# Allegro board BeagleBone AI -64_PCB_V1.02_211119.brd (continued)
## Routing (per net, layer and track width the routed paths; a pad name or vN(x,y) marks a point on that pad's centre or on a via; arc(x,y) is an arc through that point) (continued)
  BOTTOM w0.13: C143.2 -0.25,62.26 -0.04,62.46 -0.04,62.84 0.2,63.08 0.2,65.92 0.68,66.41 3.27,66.41 v1(3.52,66.65)
USBC_SS_TX2_P: length 96
  TOP w0.13: L29.4 37.92,7.94 38.21,7.65 38.41,7.65 39.15,8.38 39.15,13.3 39.02,13.43 38.92,13.43 38.79,13.56 38.79,13.81 38.92,13.94 39.02,13.94 39.15,14.07 39.15,14.53 38.88,14.8 38.57,14.8 v1(38.34,14.57)
  L12-SIGNAL w0.122: v1(38.34,14.57) 38.1,14.81 36.52,14.81 35.06,16.27 35.06,20.03 33.59,21.5 33.59,27.42 32.54,28.46 32.54,48.53 31.55,49.52 31.55,54.22 30.45,55.32 28.63,55.32 25.43,58.52 23.78,58.52 22.23,60.07 22.23,61.64 20.36,63.5 20.19,63.5 20.17,63.48 19.99,63.48 19.82,63.65 19.82,63.83 19.85,63.85 19.85,64.02 19.67,64.2 19.5,64.2 19.47,64.17 19.3,64.17 19.13,64.35 19.13,64.52 19.15,64.54 19.15,64.72 18.92,64.95 11.65,64.95 11.21,65.39 11.21,66.51 10.84,66.87 7.51,66.87 7.32,66.68 7.02,66.68 6.83,66.87 6.53,66.87 6.34,66.68 6.04,66.68 5.85,66.87 5.1,66.87 4.35,66.12 3.71,66.12 v1(3.51,65.91)
  BOTTOM w0.13: C132.2 0.42,62.26 0.22,62.46 0.22,62.73 0.46,62.97 0.46,65.81 0.79,66.14 3.29,66.14 v1(3.51,65.91)
USD_PWR_EN: length 7.9
  BOTTOM w0.165: U6.4 -34.59,57.8 -35.5,56.89 -35.5,52.12 -35.1,51.72 U5.3
USER_PB: length 170.5
  TOP w0.165: -40.04,41.71 -40.86,41.71 v1(-41.04,41.53) ; -40.04,41.71 R162.2 ; -40.04,41.71 -39.4,42.35 U10.3 ; -40.04,41.71 -40.04,44.13 -39.49,44.68 U11.2 -38.14,44.68 -37.69,45.14 -37.69,47.75 -36.56,48.88 -36.56,50.3 v1(-36.09,50.78) ; U27.2 v1(32.35,53.22)
  L5-SIGNAL w0.102: v1(32.35,53.22) 32.9,52.67 32.9,43.7 32.82,43.63 32.82,31.93 36.46,28.3 36.46,22.06 38.04,20.47 39.43,20.47 41.05,18.85 41.05,17.4 39.71,16.05 39.43,16.05 39,15.62 39,14.56 38.59,14.15 36.18,14.15 35.01,12.98 32.16,12.98 31.76,12.57 31.76,12.04 31.43,11.71 30.89,11.71 30.31,11.13 23.09,11.13 21.9,12.32 17.25,12.32 16.06,11.13 12.16,11.13 11.59,11.7 7.94,11.7 6.1,13.54 -22.45,13.54 -23.54,12.44 -29.85,12.44 -29.89,12.49 -31.67,12.49 -31.76,12.4 -35.43,12.4 -36.52,13.49 v1(-36.52,13.9)
  L10-SIGNAL w0.102: v1(-36.52,13.9) -36.52,16.49 -38.53,18.49 -38.53,28.65 -39.44,29.57 -39.44,38.66 -41.04,40.26 v1(-41.04,41.53)
  BOTTOM w0.165: U8.4 -36.25,50.94 v1(-36.09,50.78)
VCAP_MCU_VDDS0: length 0.6
  TOP w0.305: U19.K23 -12.69,45.19 v1(-13.09,44.79)
VCAP_MCU_VDDS1: length 0.6
  TOP w0.305: v1(-9.09,43.98) -8.69,44.38 U19.J18
VCAP_MCU_VDDS2: length 0.6
  TOP w0.305: v1(-9.89,43.98) -9.49,44.38 U19.J19
VCAP_VDDS0: length 0.6
  TOP w0.305: v1(0.51,51.19) 0.11,50.79 U19.U7
VCAP_VDDS1: length 0.6
  TOP w0.254: U19.AB21 -11.09,54.79 v1(-11.49,55.19)
VCAP_VDDS2: length 0.6
  TOP w0.305: U19.Y18 -8.68,53.19 v1(-9.08,53.59)
VCAP_VDDS3: length 0.6
  TOP w0.254: U19.W21 v1(-11.49,52.79)
VCAP_VDDS4: length 0.6
  TOP w0.254: v1(-12.29,54.39) -11.89,53.99 U19.AA22
VCAP_VDDS5: length 0.6
  TOP w0.305: v1(-12.29,48.79) -11.89,49.19 U19.R22
VCAP_VDDS6: length 0.6
  TOP w0.254: U19.V22 -11.88,51.59 -12.28,51.99 v1(-12.28,51.99)
VDA_DLL_0V8: length 1.9
  TOP w0.305: U30.9 38.37,53.13 37.43,53.13 37.14,53.42 v1(36.63,53.42)
  TOP w0.381: FL26.1 v1(12.33,56.95)
  BOTTOM w0.381: FL3.1 v1(8.41,64.52)
  vias: v1(6.61,30.58) v1(6.61,30.08) v1(36.23,53.06)
VDA_MCU_1V8: length 36.7
  TOP w0.203: R330.1 v1(31.29,47.02)
  TOP w0.305: U19.P22 -11.89,48.39 -12.29,47.99 v1(-12.29,47.98) ; v1(-9.09,42.38) -8.69,42.78 U19.G18 ; U19.M23 -12.69,46.78 v1(-13.09,46.38) ; U19.P21 -11.09,48.39 -11.49,47.99 v1(-11.49,47.98) ; C491.1 37.04,54.13 38.37,54.13 U30.7 ; U19.N22 -11.89,47.59 v1(-12.29,47.19)
  TOP w0.381: U19.H22 -11.9,43.58 v1(-12.29,43.19)
  L3-SIGNAL w0.254: v1(37.98,57.66) 37.98,56.97 37.06,56.06 37.06,55.58 v1(36.35,54.87)
  L8-PWR/GND w0.381: v1(31.29,47.02) 29.52,48.79 29.52,50.7 27.64,52.58 27.64,53.8 29.34,55.5 29.34,56.21 31.38,58.25 37.39,58.25 v1(37.98,57.66)
  BOTTOM w0.254: v1(37.98,57.66) 38.45,57.66 38.64,57.85 R20.1 ; C265.1 -12.11,43.37 v1(-12.29,43.19) -11.3,42.2 C237.1 ; C264.1 -12.16,47.05 -12.16,47.05
  BOTTOM w0.305: v1(-12.29,47.19) -12.16,47.05 C264.1
  vias: v1(-23.76,41.67) v1(-23.65,39.23) v1(-23.65,36.71) v1(-23.58,40.45) v1(-23.56,37.96) v1(36.71,54.46)
VDA_PLL_1V8: length 10.4
  TOP w0.305: v1(-8.29,46.38) -7.89,46.78 U19.M17 ; v1(-9.08,52.79) -8.68,52.39 U19.W18 ; U19.R11 -3.08,49.18 v1(-3.48,48.78) ; U19.R21 -11.09,49.19 v1(-11.49,48.79) ; U19.H9 v1(-1.09,43.18) ; U19.W17 -7.88,52.39 v1(-8.28,52.79) ; v1(34.3,26.53) 34.94,26.53 v1(34.98,26.49) 35.33,26.14 U29.7 ; v1(-1.09,47.98) -1.49,48.38 U19.P9 ; v1(-3.49,45.58) U19.L12 ; v1(-6.69,52.79) -6.29,52.39 U19.W15 ; C366.1 -9.77,65.51 v1(-9.82,65.46) ; U19.Y20 v1(-10.69,53.59)
  BOTTOM w0.203: v1(-9.82,65.46) -9.77,65.51 C366.1
  BOTTOM w0.254: C239.1 -8.88,52.59 v1(-9.08,52.79)
  BOTTOM w0.305: v1(-9.68,64.81) -9.7,64.81 -9.7,64.9 -10.26,64.9 C254.1
  vias: v1(-42.97,36.3) v1(-43,35.56) v1(-42.13,36.27) v1(-41.95,35.56) v1(-10.66,66.78) v1(-9.29,65.43)
VDA_USB_3V3: length 147.5
  TOP w0.254: -2.29,54.79 U19.AB10 -2.29,54.79 v1(-1.89,55.19)
  TOP w0.305: 35.19,24.14 U29.11
  L5-SIGNAL w0.159: -7.34,61.63 -7.1,61.39 -7.1,54.25 -6.85,54 -2.53,54 -2.3,54.23 -2.3,54.78 v1(-1.89,55.19)
  L5-SIGNAL w0.381: v1(-8.76,62.23) -7.94,62.23 -7.34,61.63
  L8-PWR/GND w0.381: v1(-8.76,62.23) -8.39,62.6 -8.39,63.41 -7.56,64.24 -3.68,64.24 -0.27,67.64 11.94,67.64 12.48,67.11 16.11,67.11 17.02,68.02 27.13,68.02 32.26,73.15 39.3,73.15 40.11,72.34 40.11,71.45 41.69,69.88 41.69,68.25 43.47,66.47 49.26,66.47 50.1,67.31 52.03,67.31 52.94,66.4 52.94,60.56 49.99,57.61 49.99,52.6 52.2,50.4 52.2,34.42 44.96,27.18 44.79,27.18 44.79,27.15 44.48,26.85 44.48,26.52 43.26,25.3 39.2,25.3 36.71,22.81 34.73,22.81 34.63,22.91 34.3,23.24 v1(34.3,23.56)
  BOTTOM w0.254: v1(-1.89,55.19) -2.23,54.84 C170.1
  BOTTOM w0.381: C240.1 -8.95,62.43 v1(-8.76,62.23)
VIO_VIN: length 51.2
  TOP w0.203: R337.1 32.68,57.16 32.65,57.13 32.65,57.02 v1(32.62,57)
  TOP w0.305: U29.48 v1(41.07,30.55) ; v1(43.13,58.52) 43.13,58.51 U30.48
  L3-SIGNAL w0.381: v1(43.13,58.52) 44.43,57.22 44.43,49.81 46.06,48.19 46.06,47.11 45.09,46.15 45.09,44.4 45.93,43.56 45.93,37.09 44.79,35.94 41.84,35.94 41.07,35.17 41.07,30.56 v1(41.07,30.55)
  L10-SIGNAL w0.254: v1(32.62,57) 33.41,57 33.86,56.55 41.16,56.55 v1(43.13,58.52)
  BOTTOM w0.254: R6.1 44.7,57 44.32,57.37 R7.2 44.22,57.75 C15.1 43.21,58.44 v1(43.13,58.52)
  BOTTOM w0.381: v1(41.07,30.55) 41.11,30.51 C20.1
VMON_VEXT: length 15.7
  TOP w0.229: U19.V19 v1(-9.89,51.99)
  TOP w0.254: TP8.1 -19.6,52.33 -19.51,52.24 -19.51,52.19 -19.34,52.02 -19.32,52.02 -19.32,51.98 -19.31,51.98 v1(-19.31,51.99)
  L12-SIGNAL w0.152: v1(-9.89,51.99) -9.5,52.38 -9.5,54.54 -9.76,54.8 -11.63,54.8 -11.91,54.52 -11.91,54.23 -12.16,53.97 -12.45,53.97 -12.71,53.72 -12.71,53.43 -12.96,53.17 -13.25,53.17 -13.51,52.92 -13.51,52.63 -13.73,52.4 -18.43,52.4
  L12-SIGNAL w0.254: v1(-19.31,51.99) -18.85,51.99 -18.43,52.4
VMON_VSYS: length 17
  TOP w0.254: U19.M26 -15.49,46.38 v1(-15.49,46.38)
  L5-SIGNAL w0.152: -18.07,44.38 -16.09,44.38 -15.89,44.58 -15.89,44.97 -15.66,45.19 -15.33,45.19 -15.1,45.42 -15.1,45.99 v1(-15.49,46.38)
  L5-SIGNAL w0.254: v1(-25.01,42.5) -24.43,43.08 -20.09,43.08 -18.78,44.38 -18.07,44.38
  BOTTOM w0.254: -25.53,42.96 -25.3,42.96 -25.3,42.96 -25.04,42.96 ; -25.04,42.96 -25.04,42.52 v1(-25.01,42.5) -25.01,42.6 -24.83,42.78 C286.1 -25.04,42.96
  BOTTOM w0.381: R142.2 R141.1 -25.53,42.96 -25.07,42.5 v1(-25.01,42.5)
VOUT_LM5141: length 10.6
  TOP w0.203: R393.1 v1(30.18,12.98)
  L5-SIGNAL w0.203: v1(30.18,12.98) 30,12.8 24.24,12.8 23.7,13.34 21.55,13.34 v1(21.32,13.57)
  BOTTOM w0.203: U3.17 21.29,13.54 v1(21.32,13.57) C548.2
VPP_EFUSE: length 28.1
  TOP w0.254: v1(-2.69,55.19) -2.69,55.18 U19.AB11 ; U19.F17 v1(-8.29,41.58)
  L12-SIGNAL w0.102: v1(-2.69,55.19) -3.09,54.79 -4.56,54.79 -5.05,54.31 -5.05,51.03 -4.68,50.67 -4.68,44.63 -4.93,44.39 -5.24,44.39 -6.3,43.33 -6.3,43.02 -6.54,42.78 -6.86,42.78 -7.1,42.53 -7.1,42.22 -7.34,41.98 -7.89,41.98 v1(-8.29,41.58)
  BOTTOM w0.137: -10.29,37.4 -10.29,38.55 -10.06,38.78 -9.73,38.78 -9.49,39.02 -9.49,40.95 -9.26,41.18 -8.69,41.18 v1(-8.29,41.58)
  BOTTOM w0.165: -10.29,37.4 -10.29,35.93 -11.42,34.8 TP2.1
VRTC_LEOA_1V8: length 2
  TOP w0.305: v1(36.41,56.1) 36.91,56.1 36.93,56.12 37.5,56.12 37.5,56.13 38.37,56.13 U30.3
VRTC_LEOB_1V8: length 17.9
  TOP w0.254: R362.1 v1(48.95,30.28)
  TOP w0.305: U29.3 34.81,28.14 34.78,28.11 C483.1 34.5,27.92 v1(34.58,27.92)
  L10-SIGNAL w0.254: v1(48.95,30.28) 48.48,30.28 46.74,28.55 35.21,28.55 v1(34.58,27.92)
VSYS_3V3: length 65.6
  TOP w0.203: U9.1 v1(-21.29,16.63) ; U9.2 v1(-20.79,16.62) ; C319.1 -34.39,41.47 -34.39,41.5 -34.74,41.85 R171.1 ; U14.8 -32.49,41.33 -32.33,41.5 -32.33,42.11 -32.54,42.33 U14.6 ; R393.2 v1(31.05,12.98)
  TOP w0.254: v1(30.04,56.12) 31.18,57.26 C481.1 31.45,57.03 31.7,56.78 U27.5 ; U11.5 -35.53,45.33 -35.52,45.32 C318.1 -35.13,45.77 -35.38,46.03 v1(-35.55,46.03) ; U12.5 -35.73,47.95 -35.51,47.74 -35.52,47.73 ; C319.1 v1(-33.93,41.28) -33.87,41.33 U14.8 ; R314.1 v1(14.05,14.3) ; v1(-39.49,40.87) -39.59,40.97 R162.1 ; U10.6 -36.6,38.85 v1(-36.55,38.8) ; C316.1 v1(-36.55,38.8) ; v1(-36.55,38.8) -37.03,38.8 -37.04,38.81 -37.23,38.81 -37.55,39.13 U10.5 ; U23.4 18.99,23.76 v1(19.49,23.27) ; U16.5 -32.76,45.6 -32.81,45.54 v1(-32.91,45.54) -33.13,45.32 C320.1 -33.28,45.02 -33.42,44.88 -33.64,44.88 -33.9,44.63 R173.1 ; -35.52,47.73 v1(-35.56,47.73) ; -35.52,47.73 -35.45,47.73 C317.1 ; v1(38.16,20.88) 38.07,20.96 U29.17 ; U29.26 v1(42.57,20.91)
  TOP w0.305: U29.8 v1(35.58,25.64) ; U29.12 v1(35.56,23.64) ; U29.10 v1(35.57,24.64) ; U30.8 37.72,53.62 v1(37.71,53.63) ; v1(37.69,51.63) 37.7,51.62 U30.12 ; U30.10 37.71,52.62 v1(37.7,52.63) ; v1(37.7,55.63) 37.71,55.62 U30.4 ; U29.4 v1(35.57,27.64)
  TOP w0.381: v1(37.24,51.46) 37.41,51.63 v1(37.69,51.63) ; v1(35.56,23.64) 35.33,23.64 v1(35.11,23.42)
  L5-SIGNAL w0.381: v1(19.49,23.27) 19.03,23.73 15.73,23.73 v1(15.17,23.17)
  L12-SIGNAL w0.381: v1(-35.55,46.03) -34.94,45.42 -34.94,43.61 -34.39,43.05 -30.69,43.05 -30.4,42.76 -30.4,42.75 -30.37,42.72 -29.04,42.72 -28.54,42.22 -27.16,42.22 -26.72,41.77 v1(-26.72,41.63)
  BOTTOM w0.203: R35.2 31.65,13 31.51,12.86 31.17,12.86 v1(31.05,12.98)
  BOTTOM w0.254: v1(-37.31,49.63) C310.1 -37.2,50.17 U8.5 ; R47.1 17.03,7.79 v1(16.97,7.85) ; C300.1 -32.28,49.73 -32.03,49.48 v1(-31.85,49.48) ; C31.1 38.38,55.43 38.17,55.63 v1(37.7,55.63) ; R7.1 44.88,58.05 44.66,58.27 v1(44.66,58.88) ; v1(35.57,24.64) 36.13,24.64 36.25,24.52 C38.1
  BOTTOM w0.381: v1(37.69,51.63) 37.41,51.63 v1(37.24,51.46) ; R142.1 v1(-26.72,41.63) ; v1(30.04,56.12) 30.31,55.86 32.95,55.86 33.87,56.78 36.85,56.78 37.12,56.51 C25.1
  vias: v1(-39.92,21.54) v1(-39.92,20.96) v1(-39.92,20.32) v1(-31.85,48.97) v1(-19.25,71.76) v1(-18.36,71.76) v1(-17.52,71.76) v1(14.64,23.17) v1(14.59,22.58) v1(15.14,22.56) v1(17,8.36) v1(30.51,15.55) v1(30.51,15.01) v1(30.49,14.5) v1(30.77,14.05) v1(31.05,15.57) v1(31.02,15.01) v1(31.02,14.53) v1(31.27,14.05) v1(31.55,15.57) v1(31.53,15.01) v1(31.5,14.53) v1(31.86,14.05) v1(32.04,15.55) v1(32.04,15.01) v1(32.01,14.56) v1(36.99,32.56) v1(36.99,31.65) v1(36.99,19.99) v1(36.99,19.08) v1(37.26,32.11) v1(37.28,19.54) v1(37.52,32.56) v1(37.52,31.68) v1(37.55,19.97) v1(37.55,19.1) v1(38.23,39.42) v1(38.23,38.91) v1(38.18,38.38) v1(38.77,39.42) v1(38.77,38.86) v1(38.77,38.36) v1(39.05,60.56) v1(39.05,59.64) v1(39.07,47.91) v1(39.07,47.02) v1(39.31,60.1) v1(39.34,47.47) v1(39.58,60.56) v1(39.58,59.67) v1(39.6,47.93) v1(39.6,47.02) v1(39.91,48.72) v1(42.32,32.56) v1(42.32,31.65) v1(42.59,32.11) v1(42.6,30.91) v1(42.7,19.97) v1(42.7,19.05) v1(42.86,32.56) v1(42.86,31.68) v1(42.97,19.51) v1(43.24,19.97) v1(43.24,19.08) v1(44.38,60.53) v1(44.38,59.62) v1(44.65,60.07) v1(44.76,47.96) v1(44.76,47.04) v1(44.91,60.53) v1(44.91,59.64) v1(45.03,47.5) v1(45.19,25.78) v1(45.29,47.96) v1(45.29,47.07) v1(46.34,26.14) v1(46.34,25.6) v1(46.79,25.87) v1(47.25,53.77) v1(47.22,26.14) v1(47.25,25.6) v1(48.39,54.13) v1(48.39,53.6) v1(48.85,53.86) v1(49.28,54.13) v1(49.31,53.6)
VSYS_5V0: length 103
  TOP w0.203: C547.1 47.93,8.62 47.99,8.56 U21.12 ; U9.4 v1(-19.79,16.46)
  TOP w0.254: 47.78,9.17 47.93,9.02 C547.1 ; R385.1 -40.42,5.48 -40.15,5.74 -40.15,6.45 v1(-40.54,6.85) R384.1
  TOP w0.406: v1(46.37,10.92) C546.1 47.42,9.54 47.78,9.17
  L3-SIGNAL w0.254: v1(29.95,60.25) 29.61,59.91 29.61,59.88 29.09,59.36 29.09,55.25 27.74,53.9 27.74,51.61 29.39,49.96 29.39,47.55 27.84,45.99 27.84,41.89 28.77,40.96 29.25,40.96 29.51,40.7 29.51,38.68 29.09,38.25 27.97,38.25 24.92,35.21 24.26,35.21 23.7,34.65 v1(23.7,34.16)
  L3-SIGNAL w0.406: v1(46.37,10.92) 45.33,10.92 43.39,12.85 v1(43.11,12.85)
  L5-SIGNAL w0.254: v1(-36.47,12.09) -37.17,11.39 -37.7,11.39 -40.15,8.94 -40.15,7.24 v1(-40.54,6.85)
  L10-SIGNAL w0.254: v1(29.95,60.25) 29.34,60.25 27.29,62.31 20.63,62.31 20.15,61.83 19.36,61.83 18.52,62.66 16.36,62.66 v1(15.78,63.25)
  L12-SIGNAL w0.254: v1(23.7,34.16) 23.7,33.69 23.58,33.57 23.58,32.74 23.55,32.72 23.55,29.19 20.55,26.19 12.17,26.19 v1(11.54,25.55)
  L12-SIGNAL w0.381: v1(46.37,10.92) 47.99,9.3 47.99,4.7 v1(48.67,4.01)
  BOTTOM w0.203: U3.15 v1(21.06,14.54) ; P9.7 v1(11.25,19.87)
  BOTTOM w0.254: R394.1 49.05,4.4 v1(48.67,4.01) ; v1(19.08,7.76) 18.75,7.43 18.75,7.42 18.52,7.19 16.82,7.19 16.49,7.52 R56.1 ; R58.2 v1(15.78,63.25)
  BOTTOM w0.406: C421.1 -18.56,15.78 -19.04,16.26 -19.48,16.26 -19.5,16.28 -19.62,16.28 -19.64,16.31 v1(-19.79,16.46)
  vias: v1(-38.91,14.53) v1(-38.38,14.63) v1(-32.66,17.58) v1(-32.33,17.15) v1(-32.1,17.65) v1(6.05,11.56) v1(6.1,12.07) v1(6.61,12.02) v1(6.56,11.48) v1(10.24,19.84) v1(10.73,19.81) v1(26.83,14.3) v1(26.83,13.82) v1(27.31,14.3) v1(27.34,13.82) v1(27.84,13.82) v1(27.87,14.3) v1(36.56,13.23) v1(36.56,12.68) v1(36.56,12.17) v1(37.09,13.23) v1(37.09,12.7) v1(37.06,12.17) v1(37.7,13.26) v1(37.67,12.68) v1(37.67,12.17) v1(43.08,13.87) v1(43.08,13.36)
VSYS_IO_1V8: length 50.8
  TOP w0.152: U26.P5 20.5,61.48 U26.N4 U26.P3
  TOP w0.254: R358.1 R360.1 R363.1 R366.1 v1(49.69,72.29) R367.1 R364.1 R361.1 R359.1 47.41,71.82 46.88,71.28 C522.1 ; C522.1 R357.2 ; C522.1 46.79,70.92 v1(46.77,70.89) 46.64,70.77 U32.2 ; v1(30.33,60.96) 30.67,60.62 31.01,60.62 31.13,60.5 R331.1 R332.1 ; R324.1 v1(27.89,66.66) ; v1(31.35,66.27) 31.54,66.08 R333.1 ; v1(19.77,62.31) 19.86,62.21 U26.P3 ; v1(20.81,68.81) 20.81,68.78 20.94,68.66 C462.1 20.89,68.27 U24.5 ; R336.1 v1(31.26,63.46) ; v1(25.3,60.61) 25.33,60.63 25.53,60.63 25.61,60.71 U26.C6 ; R328.1 v1(29.95,66.66) ; R303.1 6.74,60.1 v1(6.66,60.02) ; U26.P5 19.89,61.21 v1(19.87,61.19) ; R334.1 v1(31.22,65.2) ; v1(21.62,61.71) U26.M4 U26.N4 ; R326.1 v1(28.76,66.66) ; C338.3 v1(-20.44,50.73) ; R335.1 v1(31.23,64.33) ; R322.1 v1(27,66.66) ; R320.1 v1(20.94,65.84) ; C338.1 v1(-21.64,50.73)
  TOP w0.305: U19.U22 -11.89,50.79 v1(-12.29,51.19) ; U19.AA8 -0.69,53.99 v1(-0.29,54.39) -0.28,54.39 U19.AB7 0.11,54.79 v1(0.51,55.19) ; v1(0.51,53.59) 0.11,53.19 U19.Y7 ; U19.U20 -10.28,50.79 v1(-10.68,51.19)
  L3-SIGNAL w0.381: v1(25.3,60.61) 25.97,60.61 26.27,60.91 26.27,61.55 25.54,62.27 22.18,62.27 22.12,62.21 v1(21.62,61.71) ; v1(30.05,54.92) 29.53,55.44 29.53,59.04 30.62,60.13 30.62,60.67 v1(30.33,60.96)
  L8-PWR/GND w0.381: v1(21.62,61.71) 20.39,61.71 v1(19.87,61.19)
  L12-SIGNAL w0.254: v1(30.33,60.96) 29.79,61.51 29.64,61.51 29.38,61.77 29.38,63.06 29.78,63.46 v1(31.26,63.46)
  BOTTOM w0.152: C93.1 v1(18.65,61.59)
  BOTTOM w0.203: C110.3 v1(8.4,55.72) ; C110.1 v1(8.4,56.92)
  BOTTOM w0.254: C84.1 19.77,62.3 v1(19.77,62.31) ; 31,28.94 R33.2 ; v1(30.05,54.92) 30.23,55.09 R36.1 ; v1(19.87,61.19) 19.91,61.23 C83.1 ; 30.41,60.89 v1(30.33,60.96) ; 30.41,60.89 30.41,60.95 C48.1 ; 30.41,60.89 30.41,60.76 30.88,60.29 U2.1 ; C67.1 25.46,60.56 25.38,60.56 25.33,60.61 v1(25.3,60.61) ; v1(-12.29,51.19) -12.82,50.66 C273.1 ; v1(21.62,61.71) 21.6,61.74 C81.1
  vias: v1(29.93,29.55) v1(30.51,29.54) v1(31.05,29.54) v1(48.72,35.66) v1(49.13,35.18) v1(49.26,35.89) v1(51.29,35.94)
VSYS_IO_3V3: length 269.8
  TOP w0.203: R231.1 v1(-23.51,57.57) ; v1(-27.07,39.57) -27.04,39.57 -27.04,39.68 -26.96,39.68 -26.69,39.95 R209.1 ; R329.1 31.29,48.19 31.27,48.21 v1(31.27,48.44) ; R232.1 -22.73,55.77 -22.52,55.98 -22.12,55.98 -22.12,56.01 ; v1(-24.78,23.37) -24.78,23.42 -24.45,23.76 FL10.1 ; R241.1 -22.89,46.39 v1(-23.03,46.53) ; R163.1 -18.33,15.11 -18.13,14.91 -17.52,14.91 v1(-17.37,14.76) ; v1(-21.38,44.65) -21.34,44.61 R270.1 ; C367.3 v1(-9.27,34.89) ; R272.1 -21.26,40.71 -21.3,40.67 -21.3,40.62 -21.63,40.62 -21.63,40.65 v1(-21.61,40.65) -21.67,40.72 R247.1 ; v1(5.26,66.42) 5.39,66.3 C410.1 ; v1(-20.06,41.89) -20.08,41.91 R268.1 ; -22.12,56.01 -22.12,56.04 -21.91,56.25 R258.1 ; -22.12,56.01 v1(-22.11,56.01) ; R236.1 -23.28,53.11 -23.31,53.14 ; C410.3 v1(5.57,65.15)
  TOP w0.254: v1(-27.35,41.68) -27.43,41.6 R199.1 ; U33.7 47.68,41.59 47.53,41.73 47.33,41.73 47.18,41.58 U33.8 46.78,40.78 v1(46.62,40.62) ; -41.93,42.57 v1(-42.49,42.57) ; -41.93,42.57 -41.6,42.9 ; -41.93,42.57 -41.88,42.57 ; -41.88,42.57 -41.6,42.29 ; -41.88,42.57 -41.65,42.57 -41.6,42.62 ; 42.13,15.09 C545.1 42.34,15.46 ; v1(-40.65,4.79) R376.1 R382.1 R383.1 ; v1(-23.41,53.14) -23.31,53.14 -23.31,53.16 -23.28,53.19 R235.1 ; -40.42,45.35 -40.07,45.7 R161.1 -40.05,45.72 -39.87,45.54 v1(-39.85,45.54) ; U26.F5 24.23,60.74 v1(24.26,60.71) U26.E6 ; U31.7 50.6,41.6 50.46,41.75 50.25,41.75 50.1,41.6 U31.8 50.1,40.72 v1(49.92,40.54) ; R381.1 51.44,7.85 v1(51.62,7.67) ; Q5.1 v1(-43.78,5.44) -43.78,5.51 -44.04,5.77 -45.82,5.77 -46.04,5.54 Q6.1 ; R374.1 v1(-40.65,6.16) ; C367.1 v1(-9.27,33.6) ; v1(48.62,64.85) 48.62,65.1 C523.2 47.32,65.13 47.03,65.42 U32.19 ; R276.1 v1(12.91,28.47) ; R380.1 49.5,3.96 51.29,3.96 51.62,4.3 R82.1 ; v1(-34.41,44.02) -34.57,44.18 R169.1 ; v1(6.76,65.75) 6.84,65.75 ; U26.K9 22.56,59.21 v1(22.61,59.16) 22.73,59.04 U26.J10
  TOP w0.305: U19.V21 -11.08,51.59 v1(-11.48,51.99) ; U19.AB18 -8.69,54.79 v1(-9.09,55.19) ; v1(-9.88,55.99) -9.48,55.59 U19.AC19 ; v1(-11.49,43.18) -11.09,43.58 U19.H21 ; U19.U8 -0.69,50.79 v1(-0.29,51.19) ; v1(-12.29,45.59) -11.89,45.99 U19.L22 ; v1(-10.69,43.98) -10.29,44.38 U19.J20 ; v1(-10.69,55.99) -10.29,55.59 U19.AC20 ; v1(-8.29,55.99) -7.89,55.59 U19.AC17 ; v1(0.51,51.99) 0.11,51.59 U19.V7 ; v1(-9.89,43.19) -9.49,43.59 U19.H19 ; U19.AB16 -7.09,54.79 v1(-7.49,55.19) ; U19.AA20 -10.28,53.99 v1(-10.68,54.39) ; v1(-11.49,44.78) -11.09,45.18 U19.K21 ; v1(-12.29,46.39) -11.89,46.79 U19.M22 ; U19.Y22 -11.89,53.19 v1(-12.29,53.59) ; U19.AA21 v1(-11.49,54.39) ; U19.AA19 v1(-9.89,54.39) ; v1(-8.29,54.39) -7.89,53.99 U19.AA17 ; U19.W22 v1(-12.29,52.78) ; U19.J22 -11.89,44.38 v1(-12.29,43.98)
  TOP w0.381: v1(17.3,57.1) 17.89,56.52 v1(17.89,55.53) ; v1(51.62,5.31) 51.62,5.31 R82.1 ; R286.1 v1(-15.51,28.47) ; R311.1 12.39,9.12 12.01,8.74 v1(11.79,8.74) ; v1(-42.23,49.07) -44.27,49.07 -45.49,47.86 -45.49,45.21 -45.08,44.81 J11.1 ; -40.42,45.35 -41.6,44.17 -41.6,40.56 -40.51,39.47 -39.49,39.47 -39.21,39.19 R165.1 ; R287.1 R310.1 -15.4,28.37 ; R365.1 52.01,25.47 v1(51.85,25.3)
  TOP w0.406: 41.82,15.41 41.87,15.46 42.34,15.46 ; 41.82,15.41 42.13,15.09 U34.5 ; 41.82,15.41 v1(40.94,15.41) ; v1(-15.51,28.47) -15.4,28.37
  L3-SIGNAL w0.381: v1(6.89,27.76) 6.99,27.87 6.99,28.37 7.38,28.76 7.91,28.76 8.41,28.27 v1(10.65,28.27) ; v1(51.62,7.67) 51.24,8.06 50.47,8.06 48.29,10.24 43.06,10.24 42.3,11 42.3,14.05 v1(40.94,15.41) ; v1(17.3,57.1) 17.3,57.76 16.87,58.19 15.3,58.19 14.92,58.57 v1(14.92,58.83)
  L5-SIGNAL w0.254: v1(-21.61,40.65) -21.61,41.56 -21.27,41.89 v1(-20.06,41.89) ; v1(39.22,30.88) 39.22,30.23 39.81,29.64 45.14,29.64 v1(45.65,29.14)
  L5-SIGNAL w0.381: v1(-22.63,61.92) -23.17,61.92 -23.32,62.07 -28.12,62.07 -28.53,61.66 -30.23,61.66 -31.43,60.46 -33.62,60.46 v1(-34,60.07) -34.39,60.46 -36.68,60.46 v1(-37.7,59.45) ; v1(41.93,59.42) 43.75,61.24 47.28,61.24 48.19,62.16 48.19,64.42 v1(48.62,64.85)
  L8-PWR/GND w0.381: v1(3.77,14.2) 5.16,12.8 8.29,12.8 11.79,9.3 v1(11.79,8.74)
  L9-PWR/GND w0.381: 46.18,30.41 45.9,30.68 45.98,30.76 45.98,35.03 45.9,35.1 45.9,40.08 ; 45.9,40.67 45.9,41.3 ; 45.9,40.67 45.9,40.08 ; 45.9,40.67 46.56,40.67 ; 45.9,41.3 45.9,43.36 45.22,44.05 35.36,44.05 32.85,46.56 32.85,48.29 32.28,48.86 31.69,48.86 v1(31.27,48.44) ; 45.9,41.3 45.93,41.3 46.56,40.67 ; 45.9,40.08 46.44,40.62 v1(46.62,40.62) 46.56,40.67
  L10-SIGNAL w0.254: v1(-27.07,39.57) -27.07,40.04 -26.93,40.18 -26.93,41.17 -27.35,41.58 v1(-27.35,41.68)
  L10-SIGNAL w0.381: v1(49.92,40.54) 47.22,40.54 47.15,40.62 v1(46.62,40.62) ; v1(14.92,58.83) 14.92,60.05 15.53,60.66 20.17,60.66 21.67,59.16 v1(22.61,59.16) 24.01,59.16 24.64,59.79 24.64,60.33 v1(24.26,60.71) ; v1(-17.37,14.76) -17.37,15.88 -17.09,16.16 -17.09,22.58 -16.58,23.09 -16.58,25.45 -15.51,26.52 v1(-15.51,28.47)
  L12-SIGNAL w0.381: v1(-40.65,4.79) v1(-40.65,6.16)
  BOTTOM w0.152: v1(-11.49,62.37) -11.51,62.39 C361.1
  BOTTOM w0.203: v1(-23.03,46.53) -22.86,46.36 R134.1 ; R133.1 v1(-22.63,61.92) ; R111.1 R112.1 -19.92,41.21 -20.16,40.97 -20.16,39.37 -19.92,39.13 R115.1 ; C76.1 22.94,59.49 v1(22.61,59.16) 22.33,59.44 C78.1 ; v1(17.89,55.53) 17.81,55.53 17.81,55.5 17.55,55.24 17.31,55.24 17.1,55.04 R54.1 ; R118.1 v1(-20.02,53.81) ; R85.1 v1(3.77,14.2) ; C118.1 v1(4.22,65.1) ; C122.1 2.7,65 v1(2.7,65) ; C280.3 v1(-23.34,49.97)
  BOTTOM w0.254: v1(41.93,59.42) 41.53,59.02 41.53,58.14 41.3,57.92 R15.1 ; v1(10.33,61.08) R75.1 R76.1 ; -10.83,44.23 -10.83,44.12 ; -10.83,44.12 -10.84,44.13 C257.1 ; -10.83,44.12 v1(-10.69,43.98) ; v1(-24.01,42.51) -24.01,42.79 -23.9,42.89 R137.1 ; R229.1 -36.87,43.44 -36.42,43.89 -36.42,44.39 v1(-36.03,44.78) C309.1 ; C309.1 -35.64,45.45 -35.64,45.45 U7.4 ; C309.1 -36.03,45.93 -36.02,45.93 R155.1 ; U2.14 29.38,60.77 29.41,60.8 v1(29.41,60.94) C51.2 ; -9.73,43.02 C241.1 -9.73,43.02 ; -9.73,43.02 v1(-9.89,43.19) ; U6.5 -34.09,59.1 -33.73,59.46 -33.73,59.82 -33.98,60.07 v1(-34,60.07) -33.77,60.31 C302.1 -33.62,60.31 -33.06,60.87 R153.1 R152.1 ; v1(17.3,57.1) 17.26,57.06 R52.1 R51.1 R50.1 ; v1(-42.49,42.57) -39.8,42.57 -38.12,40.9 R228.1 ; R28.1 R27.1 38.45,63.72 38.87,63.3 39.38,63.3 40.01,63.93 ; R139.1 -26.22,44.31 -26.36,44.17 v1(-26.36,43.87) ; R157.1 v1(-37.7,59.45) ; v1(24.29,61.67) C72.1 24.29,60.74 v1(24.26,60.71) ; R160.1 -40.37,49.3 C313.1 -42.01,49.3 v1(-42.23,49.07) ; C510.1 v1(49.92,40.54) ; R21.1 39.54,15.12 v1(39.78,15.37) ; v1(-23.41,53.14) -23.41,52.42 -23.16,52.17 R136.1 ; R111.1 -20.04,41.87 v1(-20.06,41.89) ; v1(-27.07,39.57) -27.04,39.57 -27.04,39.78 -26.87,39.95 R143.1 ; R147.1 -29.4,47.79 -29.38,47.8 v1(-29.38,47.94) ; R19.2 40.01,63.93 ; 40.01,63.93 v1(40.19,63.93) ; R5.1 47.71,63.93 v1(48.62,64.85) ; v1(14.92,58.83) 14.92,58.97 R65.1 R63.1 R64.1 ; v1(46.62,40.62) 46.77,40.77 C520.1 ; R121.1 -20.36,33.73 -20.18,33.55 -19.41,33.55 -18.85,34.11 R107.1 R106.1 -18.16,34.17 -17.85,33.86 -17.74,33.86 -17.67,33.79 -17.16,33.79 -16.78,34.17 R102.2 -16.76,34.14 v1(-16.55,33.94) ; R10.1 43.89,26.89 45.65,28.65 v1(45.65,29.14) 45.65,29.61 45.42,29.84 R8.1 ; R23.1 v1(39.22,30.88)
  BOTTOM w0.305: -12.46,45.63 -12.33,45.63 v1(-12.29,45.59) ; C359.1 -12.27,62.39 v1(-12.29,62.37) ; v1(-13.06,62.37) -13.04,62.39 C353.1 ; -11.47,44.89 -11.47,44.81 v1(-11.49,44.78) ; v1(-12.29,43.98) -12.28,43.99 C270.1
  BOTTOM w0.381: v1(51.62,7.67) v1(51.62,5.31)
  vias: v1(-22.28,49.93) v1(-16.3,67.16) v1(-16.3,66.65) v1(8.77,65.75) v1(9.96,69.8) v1(10.45,69.8) v1(10.65,27.76) v1(11.16,28.27) v1(11.18,27.79) v1(14.87,28.17) v1(14.87,27.71) v1(15.42,28.17) v1(15.4,27.71) v1(16.21,21.62) v1(16.29,22.07) v1(16.64,28.07) v1(16.8,22.1) v1(16.77,21.62) v1(34.04,64.9) v1(34.07,64.39) v1(40.7,67.59) v1(41.23,67.57) v1(44.89,15.04) v1(51.95,66.27) v1(51.92,65.71)
VSYSMON_RESET#: length 3.8
  TOP w0.165: U10.1 -34.55,42.35 -34.18,41.98 R171.2 -33.83,41.96 -33.7,41.83 U14.7
W1_PCIE1_M.2_CLKREQ#: length 53.5
  TOP w0.229: v1(5.31,52.79) 5.31,52.78 U19.W1
  L3-SIGNAL w0.102: v1(28.25,55.17) 27.79,54.71 27.36,54.71 26.73,54.08 25.71,54.08 24.64,53.01 19.06,53.01 18.44,53.63 18.44,53.65 17.93,54.17 17.89,54.17 17.75,54.31 17.53,54.52 17.04,54.52 16.41,53.9 6.79,53.9 5.68,52.79 v1(5.31,52.79)
  L8-PWR/GND w0.127: v1(38.84,72.37) 38.82,72.37 38.46,72.01 38.46,71.35 37.9,70.79 31.05,70.79 28.37,68.11 28.37,65.75 27.41,64.8 27.41,62.97 27.9,62.49 27.9,58.45 28.28,58.07 28.28,56.16 28.25,56.13 v1(28.25,55.17)
  BOTTOM w0.165: J4.53 38.73,72.5 38.84,72.39 v1(38.84,72.37)
W2_PCIE1_M.2_WAKE#: length 52.3
  TOP w0.229: v1(4.51,52.79) 4.51,52.78 U19.W2
  L3-SIGNAL w0.102: v1(4.51,52.79) 4.91,53.19 5.54,53.19 6.58,54.23 16.42,54.23 17.09,54.9 18.36,54.9 19.08,54.18 20.64,54.18 20.85,54.38 26.71,54.38 27.27,54.94 27.29,54.94 27.59,55.25 v1(27.59,55.83)
  L8-PWR/GND w0.127: v1(38.23,72.49) 37.94,72.2 37.79,72.2 36.79,71.2 30.99,71.2 27.49,67.69 27.49,65.58 27.16,65.25 27.16,62.76 27.64,62.28 27.64,58.35 28.03,57.96 28.03,57.64 28.01,57.62 28.01,56.25 v1(27.59,55.83)
  BOTTOM w0.165: J4.55 v1(38.23,72.49)
